# KiCad board FrontEnd_5G.kicad_pcb (continued)
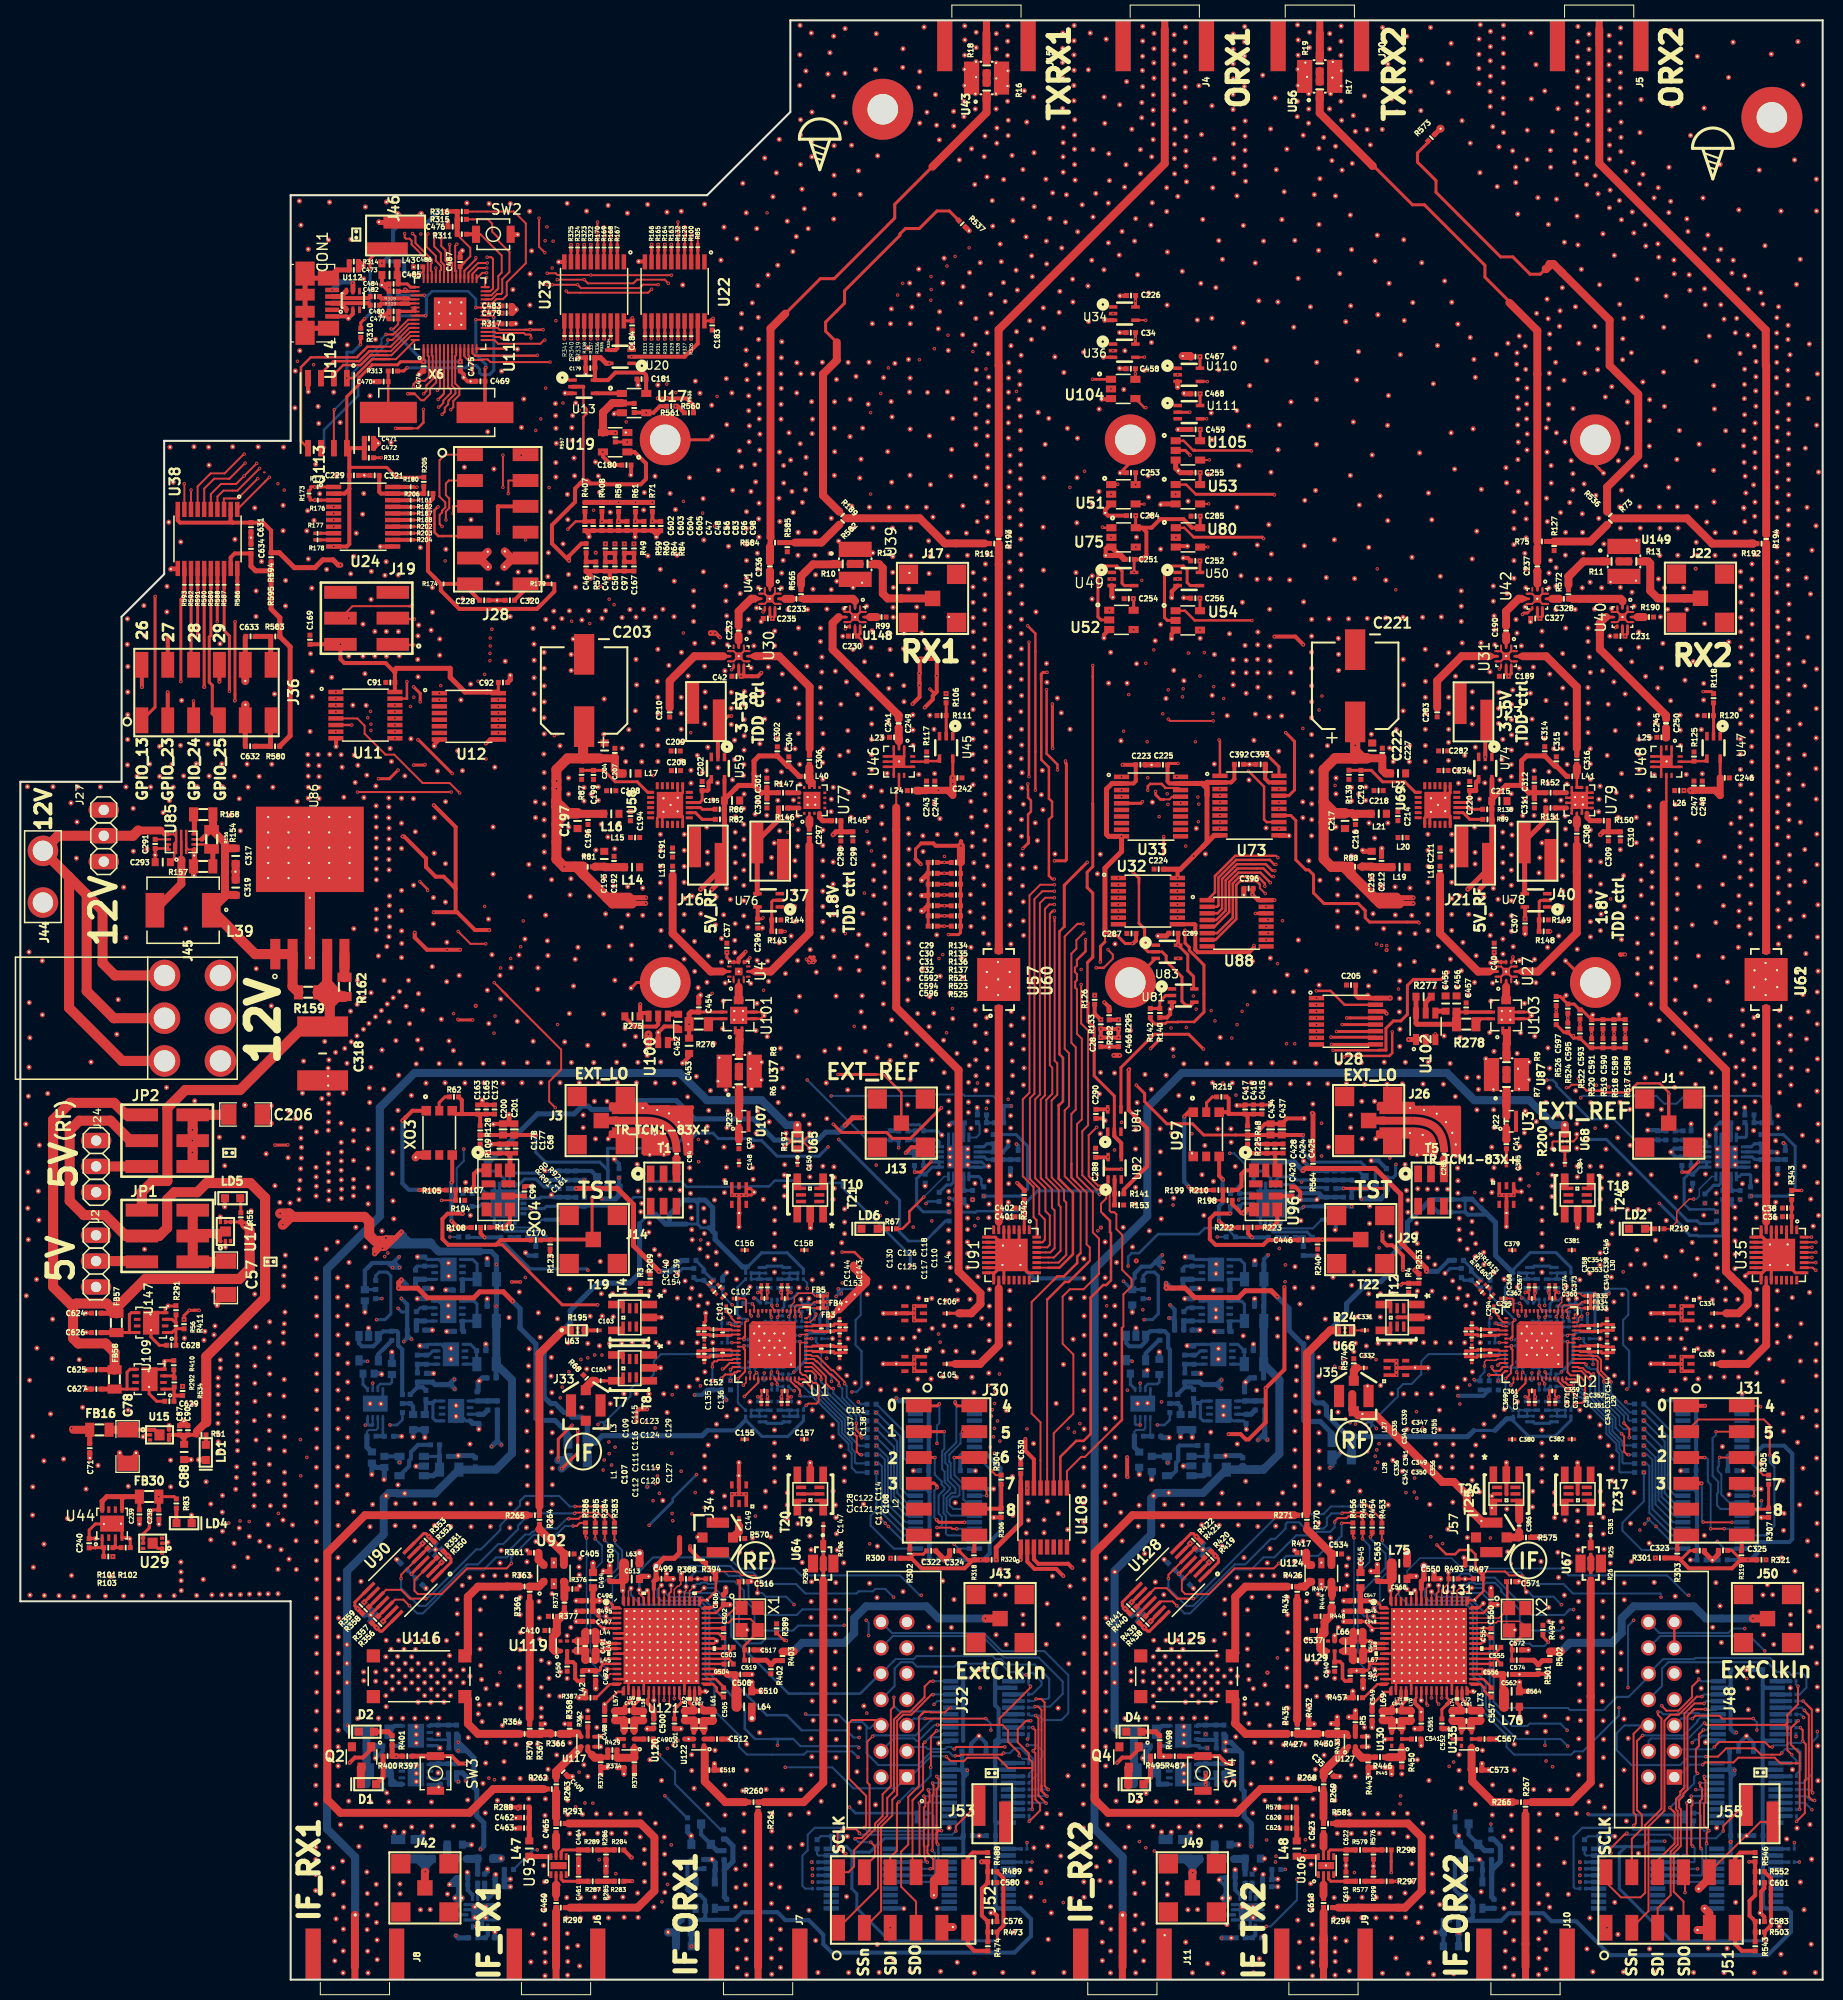
[diagram p0: board, top side]
## Routing (per net, layer and track width the routed paths; a pad name or vN(x,y) marks a point on that pad's centre or on a via; arc(x,y) is an arc through that point) (continued)
GPIO3_#1: length 167
  F.FR4 w0.2: v2(95.77,56.63) 95.71,56.56 94.68,56.56 94.42,56.31 92.56,56.31 92.24,55.99 89.06,55.99 85.55,52.48 v2(84.15,52.48) ; 85.8,159.49 75.84,159.49 75.14,158.79 72.33,158.79 71.88,159.24 70.61,159.24 70.6,159.23 64,159.23 63.35,159.88 v1(63.35,161.27)
  F.FR4 w0.25: 85.8,159.49 85.8,159.5 86.26,159.5 86.96,158.8
  F.FR4 w0.3: 86.96,158.8 87.58,158.18 92.77,158.18 93.42,158.82 94.43,158.82 94.92,158.33 v1(94.92,158.32)
  B.FR4 w0.2: 100.06,71.27 100.06,69.21 99.01,68.16 99.01,58.77 97.18,56.94 96.58,56.94 96.27,56.63 v2(95.77,56.63) ; 100.06,71.27 100.06,71.3 ; 100.06,71.27 100.06,86.13
  B.FR4 w0.3: 63.35,161.26 v1(63.35,161.27) ; v1(94.92,158.32) 94.58,157.98 94.58,154.86 94.59,154.85 94.59,153.5 94.4,153.31 94.4,152.92 94.59,152.73 94.59,152.16 94.47,152.04 94.47,151.41 94.61,151.27 94.61,150.38 94.4,150.17 94.4,150.23 94.16,149.99 94.16,148.36 94.48,148.04 94.48,147.42 94.33,147.27 94.33,144.53 94.36,144.5 95.33,144.5 95.84,143.99 95.84,139.92 95.61,139.69 95.61,113.99 96.3,113.3 96.3,111.06 96.75,110.61 97.33,110.61 97.9,110.03 97.9,105.66 97.94,105.62 97.94,102.05 98.01,101.98 98.01,93.67 97.99,93.65 97.99,91.02 98.35,90.66 99.06,90.66 100.36,89.36 100.36,86.98 100.06,86.68 100.06,86.14 100.05,86.13 100.06,86.13
  B2.RO w0.2: v2(84.15,52.48) 85.29,51.34 85.29,46.71 87.03,44.97 87.99,44.97
GPIO3_#2: length 249.9
  F.FR4 w0.2: 104.62,45.81 107.05,45.81 107.6,45.26 108.4,45.26 109.7,43.96 114.56,43.96 114.76,44.16 115.71,44.16 115.95,43.92 116.42,43.92 116.55,44.05 119.97,44.05 121.16,45.24 123.63,45.24 124.14,45.75 128.48,45.75 129.09,46.36 130.38,46.36 130.91,45.83 133.89,45.83 134.18,46.12 141.33,46.12 141.62,46.41 143.68,46.41 144.54,45.55 144.54,45.22 144.67,45.09 148.85,45.09 149.5,45.74 149.5,46.33 150.4,47.23 153.66,47.23 156.13,49.7 157.14,49.7 158.62,51.18 158.62,51.77 159.33,52.48 v2(159.59,52.48) ; 104.62,45.81 104.58,45.81 ; 104.62,45.81 104,45.81 102.41,47.4 101.74,47.4 100.99,48.15 100.28,48.15 99.88,48.55 99.86,48.55 99.35,49.06 99.35,49.07 97.72,50.7 97.72,52.97 96.97,53.72 96.02,53.72 v2(95.66,53.36) ; v1(86.24,165.58) 85.52,165.58 85.18,165.24 81.9,165.24 80.56,166.58 79.49,166.58 78.2,167.87 77.1,167.87 75.73,169.24 73.1,169.24 68.17,164.31 56.02,164.31 55.43,163.72 v1(55.43,161.29)
  B.FR4 w0.25: 88.32,58 90.76,58 91.34,57.42 91.34,56.18 91.85,55.67 92.43,55.67 94.74,53.36 v2(95.66,53.36) ; 81.25,100.98 79.33,102.9 79.33,102.91 79.02,103.22 78.57,103.22 78.1,103.69 78.1,111.75 78.33,111.98 ; 81.71,147.15 81.83,147.27 81.83,149.58 82.26,150.01 82.26,155.65
  B.FR4 w0.3: 55.43,161.28 v1(55.43,161.29) ; 88.32,58 87.22,59.1 87.22,62.44 87.3,62.52 87.3,66.69 86.59,67.4 86.59,68.48 82.46,72.61 82.46,78.81 81.12,80.15 81.12,82.81 80.53,83.4 80.53,87.94 79.72,88.75 79.72,93.83 81.25,95.36 81.25,100.98 ; 81.71,147.15 81.03,146.47 81.03,136.35 80.42,135.74 80.42,134.91 79.47,133.96 79.47,128.22 79.9,127.79 79.9,118.14 79.01,117.25 79.01,114.76 78.33,114.08 78.33,111.98 ; v1(86.24,165.58) 86.24,160.77 83.14,157.67 83.14,157.66 82.26,156.78 82.26,155.65
  B2.RO w0.2: 163.43,44.97 162.49,44.97 160.74,46.71 160.74,51.33 160.71,51.33 160.71,51.33 160.71,51.36 v2(159.59,52.48) 159.68,52.48
GPIO4_#1: length 166.7
  F.FR4 w0.2: v2(96.88,57.63) 96.88,57.42 96.57,57.11 94.69,57.11 94.26,56.68 92.77,56.68 91.95,57.5 90.02,57.5 85.79,53.27 v2(84.14,53.27) ; v1(88.38,159.22) 87.72,159.88 87.38,159.88 87.27,159.99 72.11,159.99 71.71,159.59 70.7,159.59 70.53,159.76 64.35,159.76 64,160.11 v1(64,161.27)
  F.FR4 w0.25: v2(89.59,74.58) 90.22,74.58 90.48,74.32 93.6,74.32 v2(93.82,74.1)
  B.FR4 w0.2: 94.23,58.61 94.23,58.15 94.46,57.92 94.46,57.36 94.8,57.02 95.34,57.02 95.48,57.16 96.1,57.16 96.18,57.24 96.49,57.24 v2(96.88,57.63)
  B.FR4 w0.25: 93.82,73.58 93.82,72 94.22,71.6 ; 93.82,73.58 93.82,73.6 ; 93.82,73.58 v2(93.82,74.1) ; 87.16,80.19 87.16,77.26 87.49,76.93 87.49,75.74 88.65,74.58 v2(89.59,74.58) ; 94.23,58.61 94.23,61.21 94.27,61.25 94.27,64.42 93.95,64.74 93.95,66.02 94.1,66.17 94.1,67.79 95.12,68.81 ; v1(88.38,159.22) 88.38,158.71
  B.FR4 w0.3: v1(64,161.27) 64,161.26 ; 88.38,143.38 88.38,136.73 87.52,135.87 87.52,126.67 88.35,125.84 88.35,123.98 89.05,123.28 89.05,115.5 89.4,115.15 89.4,100.55 89.29,100.44 89.29,98.05 88.79,97.55 88.79,96.53 87.47,95.21 87.47,94.6 86.12,93.25 86.12,86.06 85.47,85.41 85.47,81.55 86.87,80.15 87.16,80.15 ; 88.38,143.38 88.38,143.52 ; 88.38,143.38 88.38,146.47 88.36,146.47 88.38,146.49 88.38,158.71 ; 95.12,68.81 95.12,70.7 94.22,71.6
  B2.RO w0.2: U25.6 87.12,45.62 85.59,47.14 85.59,51.86 84.18,53.27 v2(84.14,53.27)
GPIO4_#2: length 254.5
  F.FR4 w0.2: 157.08,50.87 156.09,50.87 153.54,48.32 151.43,48.32 151.31,48.44 150.61,48.44 149.16,46.99 147.3,46.99 147.11,46.8 145.09,46.8 144.97,46.92 142.73,46.92 141.9,47.75 138.58,47.75 137.69,46.86 135.41,46.86 134.9,47.37 133.71,47.37 133.44,47.11 132.91,47.11 132.83,47.18 131.34,47.18 131.15,46.99 130.07,46.99 129.78,46.7 128.76,46.7 128.11,46.05 109.57,46.05 109.14,46.48 107.56,46.48 107.21,46.13 104.19,46.13 103.54,46.78 ; 157.08,50.87 157.47,51.26 ; 157.08,50.87 157.47,51.26 ; 103.54,46.78 103.53,46.79 ; 103.54,46.78 101.28,49.04 101.28,49.5 100.28,50.5 99.91,50.5 98.24,52.18 ; 98.24,53.97 98.01,54.19 v2(95.76,54.19) ; 157.47,51.26 157.47,51.94 157.79,52.26 158.36,52.26 159.39,53.29 v2(159.6,53.29) ; v1(89.5,165.07) 85.72,165.07 85.31,164.67 81.66,164.67 80.81,165.51 80.56,165.51 79.97,166.1 78.77,166.1 77.93,165.26 77.78,165.26 76.27,166.77 75.26,166.77 73.74,168.29 73.21,168.29 72.46,167.54 72.05,167.54 68.39,163.88 56.54,163.88 56.08,163.42 v1(56.08,161.29)
  F.FR4 w0.25: 98.24,52.18 98.24,53.97
  B.FR4 w0.2: 100.21,58.64 100.21,67.64 101.26,68.69 101.26,86.15 101.56,86.45 101.56,87.57 101.57,87.58 ; 90.67,165.07 v1(89.5,165.07) ; 96.56,54.19 96.87,54.5 96.87,55.09 100.21,58.43 ; 100.47,112.52 100.61,112.37 100.61,111.63 100.33,111.35 100.33,91.98 101.57,90.74 101.57,90.71 ; 97.86,135.95 97.86,135.89
  B.FR4 w0.25: 97.75,146.98 97.18,147.55 96.9,147.55 96.67,147.78 96.67,150.1 97.71,151.14 97.71,153.98 99.09,155.36 99.09,158.08 96.26,160.91 95.08,160.91 90.92,165.07 90.67,165.07 ; 100.21,58.43 100.21,58.64 ; 100.47,114.09 99.96,114.59 ; 100.47,114.09 100.47,112.52 100.47,114.09 ; 100.47,114.09 99.96,114.59 ; 99.96,114.59 99.56,114.99 99.56,116.03 99.24,116.35 98.29,116.35 97.86,116.78 97.86,117.52 97.85,117.52 98.03,117.7 98.03,118.05 97.72,118.36 97.72,118.7 97.96,118.94 97.96,119.45 97.73,119.68 97.73,120.12 97.94,120.33 97.94,120.88 97.72,121.1 97.72,121.62 97.99,121.89 97.99,122.38 97.68,122.69 97.68,123.22 97.95,123.49 97.95,123.98 97.7,124.23 97.7,124.91 98.06,125.27 98.06,125.75 97.73,126.08 97.73,126.55 98.01,126.83 98.01,127.26 97.6,127.67 97.6,127.95 98,128.35 98,128.72 97.63,129.09 97.63,129.45 98,129.82 98,130.35 97.65,130.7 97.65,130.95 98.07,131.37 98.07,131.75 97.68,132.14 97.68,132.49 98,132.81 98,133.12 97.7,133.42 97.7,133.91 98.05,134.26 98.05,134.7 97.56,135.19 97.56,135.59 97.86,135.89 ; 97.86,135.95 97.86,136.66 ; v2(95.76,54.19) 96.56,54.19
  B.FR4 w0.3: 101.57,87.58 101.57,90.71 ; 56.08,161.28 v1(56.08,161.29) ; 97.75,146.98 97.75,147.08 97.75,147.02 97.87,146.9 97.87,146.49 97.62,146.24 97.62,145.79 97.91,145.5 97.91,144.92 97.65,144.66 97.65,144.27 97.88,144.04 97.88,143.4 97.62,143.14 97.62,142.79 97.91,142.5 97.91,141.95 97.65,141.69 97.65,141.41 97.63,141.41 97.63,141.4 97.91,141.12 97.91,140.54 97.61,140.24 97.61,139.92 97.93,139.6 97.93,139.08 97.65,138.8 97.65,138.35 97.95,138.05 97.95,137.48 97.7,137.23 97.71,137.22 97.71,136.78 97.83,136.66 97.86,136.66
  B2.RO w0.2: 161.04,47.89 161.04,47.9 ; 161.04,47.9 161.04,51.85 v2(159.6,53.29) ; 161.04,47.9 161.04,47.13 162.56,45.62 U71.6
GPIO5_#1: length 163.7
  F.FR4 w0.2: 88.23,160.33 72.61,160.33 72.24,160.7 70.9,160.7 70.53,160.33 66.97,160.33 66.82,160.19 65.07,160.19 64.65,160.61 v1(64.65,161.27) ; v2(95.82,57.81) 95.83,57.82 95.83,57.81 95.69,57.67 94.77,57.67 94.11,57.01 93,57.01 92.13,57.88 89.79,57.88 86,54.09 v2(84.14,54.09)
  F.FR4 w0.3: 88.23,160.33 88.23,160.34 88.64,160.34 89.76,159.22 92.84,159.22 93.63,160.01 v1(93.63,160.02)
  B.FR4 w0.2: 99.44,87.02 99.44,74.49 99.65,74.28 99.65,69.4 99.49,69.4 98.41,68.32 98.41,67.88 98.41,60.39 97.47,59.45 97.46,59.45 v2(95.82,57.81)
  B.FR4 w0.25: v1(93.63,160.02) 93.63,158.98 93.25,158.6 93.25,142.99 93.61,142.63 93.61,141.55 93.33,141.27 93.33,140.78 94.24,139.87 94.24,125.55 94.25,125.54 94.25,117 94.14,116.89 94.14,113.11 94.49,112.76 95.2,112.76 95.49,112.47 95.49,110.53 96.49,109.53 96.49,101.89 ; 96.82,96.79 96.82,94.66 96.79,94.63 96.79,89.97 97.12,89.64 97.8,89.64 99.44,88 99.44,87.02
  B.FR4 w0.3: v1(64.65,161.27) 64.65,161.26 ; 96.82,96.79 96.82,97.01 96.48,97.35 96.48,97.73 97,98.25 97,98.4 96.43,98.97 96.43,99.21 96.96,99.74 96.96,101.08 96.49,101.55 96.49,101.89
  B2.RO w0.2: U25.7 87.12,46.27 85.89,47.49 85.89,52.38 84.18,54.09 v2(84.14,54.09)
GPIO5_#2: length 271.4
  F.FR4 w0.2: 133.72,47.95 133.25,47.49 129.49,47.49 129.28,47.28 128.72,47.28 128.5,47.5 124.98,47.5 124.76,47.28 112.2,47.28 111.81,46.89 110.56,46.89 110.21,47.24 107.92,47.24 107.71,47.03 107.32,47.03 106.63,47.72 104.2,47.72 101.84,50.08 101.84,54.33 102.52,55.01 103.8,55.01 v2(104.15,54.66) ; 139.61,49.68 143.41,49.68 143.53,49.56 153.37,49.56 154.15,50.34 154.15,51.36 156.93,54.14 159.57,54.14 v2(159.6,54.11)
  F.FR4 w0.25: 73.37,173.62 74.36,174.61 81.1,174.61 85.49,170.22 v1(93.27,170.22) ; 67.8,155.61 67.2,155.01 66.48,155.01 64.1,157.39 60.62,157.39 58.32,159.69 57.64,159.69 56.73,160.6 v1(56.73,161.29) ; 67.8,155.61 68.12,155.61 ; 67.8,155.61 v1(68.49,155.61) ; 133.72,47.95 133.72,47.93 134.32,48.53 137.94,48.53 138.39,48.98
  F.FR4 w0.3: 139.61,49.68 139.09,49.68 138.39,48.98
  B.FR4 w0.2: 105.19,104.34 105.19,101.49 103.81,100.11 103.81,98.82 103.59,98.6 103.59,97.23 103.91,96.91 ; 105.19,104.34 105.19,104.4 ; 105.19,104.34 105.19,104.67 104.26,105.6 104.26,120.26 102.46,122.06 102.46,123.57 ; 105.21,55.66 104.21,54.66 v2(104.15,54.66) ; 102.46,123.8 102.88,124.22 102.88,136.59 102.54,136.93 102.54,147.69 104.62,149.77 104.62,158.31 103.88,159.05 ; 105.88,67.69 105.88,67.65
  B.FR4 w0.25: 104.04,65.78 104.04,65.81 104.39,66.16 105.72,66.16 105.88,66.32 105.88,67.69 ; 104.04,65.78 104.04,63.97 ; 104.04,65.78 104.04,63.97 ; 104.04,63.97 104.04,59.27 105.21,58.1 105.21,55.66 ; 103.91,96.91 103.91,95.09 104.81,94.19 104.81,91.28 105.22,90.87 105.22,72.71 106.09,71.84 106.09,67.87 106.05,67.83 106.05,67.82 105.88,67.65 ; v1(93.27,170.22) 95.57,170.22 95.92,169.87 97.45,169.87 98.79,168.53 99.59,168.53 100.36,167.76 101.47,167.76 102.82,166.41 103.73,166.41 104.53,165.61 104.53,164.59 ; v1(73.4,173.66) 72.69,173.66 71.35,172.32 71.35,170.78 69.95,169.38 69.95,159.33 68.49,157.87 v1(68.49,155.61) ; 102.46,123.57 102.46,123.8
  B.FR4 w0.3: 104.53,164.59 103.9,163.96 103.9,159.03 ; v1(56.73,161.29) 56.73,161.29
  B2.RO w0.2: 161.34,48.49 161.34,48.6 ; 161.34,48.6 161.34,52.37 v2(159.6,54.11) ; 161.34,48.6 161.34,47.48 162.56,46.27 U71.7
GPIO6_#1: length 158.8
  F.RO w0.25: v2(94.09,88.13) 94.08,88.13
  F.RO w0.3: v1(89.85,160.31) 89.85,160.3
  F.FR4 w0.2: v1(89.85,160.31) 89.14,161.02 76.73,161.02 76.04,161.71 74.52,161.71 74.3,161.93 72.23,161.93 72.01,161.71 71.86,161.71 71.26,161.11 69.98,161.11 69.59,160.72 65.5,160.72 65.3,160.92 v1(65.3,161.27) ; v2(95.17,58.42) 93.91,58.42 93.81,58.52 91.88,58.52 91.54,58.18 89.67,58.18 86.41,54.92 v2(84.12,54.92)
  F.FR4 w0.25: v2(94.09,88.13) 94.54,87.68 94.54,86.03 94.94,85.63 v2(94.96,85.63)
  B.FR4 w0.2: 96.62,69.37 95.87,70.12 95.87,73.31 94.63,74.55 94.63,75.79 94.2,76.22 94.2,77.35 ; v2(95.17,58.42) 95.19,58.44 94.66,58.97
  B.FR4 w0.25: 96.62,69.37 96.62,62.38 94.66,60.42 94.66,58.97 ; v2(94.96,85.63) 94.2,84.87 94.2,78.96 94.51,78.65 94.51,77.93 94.2,77.62 94.2,77.35 ; 94.02,103.98 94.02,102.37 94.37,102.02 94.37,100.9 93.45,99.98 93.45,96.29 92.54,95.38 92.54,92.87 92.38,92.71 93.77,91.32 94.02,91.32 94.54,90.8 94.54,88.58 v2(94.09,88.13)
  B.FR4 w0.3: 65.3,161.26 v1(65.3,161.27) ; 90.31,144.05 90.31,131.97 90.94,131.34 90.94,127.24 90.49,126.79 90.49,125.58 91.08,124.99 91.08,111.79 92.26,110.61 92.67,110.61 93.09,110.19 93.09,107.95 94.02,107.02 94.02,103.98 ; 90.31,144.05 90.31,144.08 ; 90.31,144.05 90.31,146.74 90.81,147.24 90.81,153.1 89.85,154.06 v1(89.85,160.31)
  B2.RO w0.2: U25.8 87.1,46.92 86.19,47.83 86.19,52.9 84.17,54.92 v2(84.12,54.92)
GPIO6_#2: length 246.5
  F.FR4 w0.2: v2(103.01,54.2) 102.59,53.78 102.59,51.55 104.6,49.54 106.58,49.54 107.11,49.01 107.14,49.01 107.72,48.43 114.44,48.43 ; 133.51,48.66 135.76,50.91 143.32,50.91 144.12,50.11 148.68,50.11 149.4,50.83 150.2,50.83 151.03,50 153.18,50 153.84,50.66 153.84,52.91 154.85,53.92 155.85,53.92 157.35,55.42 158.19,55.42 158.48,55.13 159.4,55.13 v2(159.59,54.94) ; 57.38,162.18 57.85,162.65 68.75,162.65 71.62,165.52 71.62,165.6 72,165.98 73.32,165.98 75.69,163.61 78.46,163.61 78.91,164.06 80.36,164.06 81.17,163.25 82.62,163.25 82.95,163.58 88.59,163.58 88.89,163.28 90.74,163.28 91.09,163.63 91.09,165.84 91.34,166.09 91.34,167.25 91.09,167.5 v1(91.09,168.43)
  F.FR4 w0.25: 133.51,48.66 131.05,48.66 130.7,48.31 129.93,48.31 129.6,48.64 128.61,48.64 128.36,48.39 128.36,48.18 128.16,47.98 124.92,47.98 124.47,48.43 114.44,48.43 ; v1(57.38,161.29) 57.38,162.18
  B.FR4 w0.2: 102.51,67.11 102.05,66.65 102.05,61.08 101.82,60.85 101.82,60.04 102.04,59.82 102.05,59.82 102.05,57.61 103.01,56.64 v2(103.01,54.2) ; 103.31,85.37 103.46,85.52 103.46,93.54 ; 102.66,94.34 102.66,103.21 103.05,103.6 ; 103.05,104.48 103.05,118.68
  B.FR4 w0.25: 103.31,85.37 103.31,85.38 103.27,85.34 103.27,67.87 102.51,67.11 ; 103.05,103.6 103.05,104.48 ; 103.05,118.68 100.92,120.81 100.92,125.95 101.48,126.51 101.48,127.06 101.47,127.07 101.47,135.21 101.07,135.61 101.07,137.82 101.36,138.11 101.36,138.88 101.07,139.17 101.07,141.79 101.32,142.04 101.32,143.04 101.22,143.14 ; 94.64,167.41 94.61,167.44 ; 94.64,167.41 96.36,165.69 97.18,165.69 99.02,163.85 99.94,163.85 102.28,161.51 102.28,158.82 101.86,158.4 101.86,157.39 102.2,157.05 102.2,153.82 101.71,153.32 101.71,148.96 101.31,148.56 ; 94.64,167.41 93.62,168.43 v1(91.09,168.43) ; 103.46,93.54 102.66,94.34
  B.FR4 w0.3: 57.38,161.28 v1(57.38,161.29) ; 101.22,143.14 101.22,148.47 101.31,148.56
  B2.RO w0.2: 161.64,49.17 161.64,49.29 ; 161.64,49.29 161.64,52.89 v2(159.59,54.94) ; 161.64,49.29 161.64,47.82 162.55,46.92 U71.8
GPIO7_#1: length 160.5
  F.RO w0.25: v2(84.12,55.74) 84.12,55.73
  F.FR4 w0.2: v2(96.25,59.53) 95.66,58.94 94.87,58.94 94.87,58.98 93.89,59.96 91.44,59.96 91.37,59.89 91.37,58.9 90.98,58.51 89.4,58.51 86.63,55.74 v2(84.12,55.74) ; 89.44,161.62 79.05,161.62 78.89,161.78 77.36,161.78 76.94,162.21 74.78,162.21 74.59,162.4 71.89,162.4 71.17,161.68 69.3,161.68 68.88,161.27 v1(65.94,161.27)
  F.FR4 w0.25: 89.44,161.62 89.46,161.64 v1(91.19,161.64)
  B.FR4 w0.2: v2(96.25,59.53) 96.31,59.47 96.34,59.47 96.74,59.87 96.74,59.88 97.81,60.95 97.81,67.02 97.98,67.19 97.98,68.6 99.15,69.77 99.15,74.01 98.82,74.34 98.82,83.89
  B.FR4 w0.25: v1(91.19,161.64) 92.26,160.57 92.26,145.95 ; 98.82,83.89 98.82,86.62 95.75,89.69 95.75,95.63 94.34,97.04 94.34,99.98 95.87,101.51 95.87,107.25 94.3,108.82 94.3,110.13 94.1,110.33 94.1,110.96 94.22,111.08 94.22,111.79 93.95,112.06 93.28,112.06 92.71,112.63 92.71,138.69 92.15,139.25 92.15,143.31 92.14,143.31 91.57,143.88 91.57,145.26
  B.FR4 w0.3: v1(65.94,161.27) 65.94,161.26 ; 92.26,145.95 91.57,145.26
  B2.RO w0.2: v2(84.12,55.74) 84.17,55.74 86.49,53.42 86.49,48.34 87.26,47.56 87.99,47.56
GPIO7_#2: length 245.4
  F.FR4 w0.2: 148.38,52.1 153.51,52.1 153.52,52.09 153.52,53.6 155.68,55.76 v2(159.59,55.76) ; 79.08,162.27 82.4,162.27 82.6,162.07 89.32,162.07 90.06,162.81 90.98,162.81 91.88,163.71 91.88,169.4 ; 133.39,49.53 134.24,50.39 134.24,51.34 134.92,52.02 143.02,52.02 143.22,51.82 143.41,51.82 ; 77.76,163.05 77.47,162.75 74.68,162.75 ; v2(103.62,53.81) 103.27,53.46 103.27,52.47
  F.FR4 w0.25: 74.68,162.75 73.32,164.11 72.29,164.11 71.12,162.94 69.85,162.94 69.16,162.25 58.29,162.25 58.03,161.99 v1(58.03,161.29) ; 77.76,163.05 78.3,163.05 79.08,162.27 ; 148.38,52.1 148.1,51.82 143.41,51.82 ; 103.27,52.47 104.49,51.25 106.78,51.25 107.5,50.53 111.24,50.53 112.24,49.53 133.39,49.53
  B.FR4 w0.2: 103,154.64 103,153.36 102.28,152.63 102.28,148.4 101.86,147.98 101.86,136.12 102.13,135.85 102.13,127.58 102.53,127.18 102.53,125.41 102.32,125.2 102.06,125.2 101.69,124.83 101.69,121.92 103.71,119.9 103.71,100.92 ; 103.24,94.91 103.15,95 103.15,100.36 103.43,100.64 ; v2(103.62,53.81) 103.62,54.83 103.63,54.84 103.63,57.06 103.02,57.67 103.02,59.62 103.01,59.62 103.37,59.98 103.37,60.76 103.02,61.11 103.02,62.29 102.78,62.53 102.78,63.29 103.03,63.54 103.02,63.54 103.02,65.92 ; v1(91.89,169.38) 94.87,169.38 97.51,166.74 97.63,166.74
  B.FR4 w0.25: 103.71,100.92 103.43,100.64 ; 103.24,94.91 103.97,94.18 103.97,90.91 104.16,90.72 104.16,84.71 104.52,84.35 104.52,83.17 103.97,82.62 103.97,66.87 103.02,65.92
  B.FR4 w0.3: 58.03,161.28 v1(58.03,161.29) ; 97.63,166.74 99.27,166.74 101.41,164.6 101.41,163.77 102.91,162.28 102.91,158.95 103.31,158.55 103.31,157.46 103,157.15 103,154.54
  B2.RO w0.2: 162.71,47.56 163.43,47.56 ; 162.71,47.56 161.94,48.33 161.94,49.72 ; 162.71,47.56 163.43,47.56 ; 162.71,47.56 163.43,47.56 ; 161.94,49.7 161.94,49.72 ; 161.94,49.72 161.94,53.41 v2(159.59,55.76)
IF_IN_A_#1: length 20.9
  F.RO w0.2: 53.33,63.83 52.74,63.24 ; U63.1 53.98,63.83
  F.RO w0.5: R264.1 51.03,46.52
  F.RO w0.79: 51.03,46.52 51.03,61.53 53.33,63.83 53.98,63.83
IF_IN_A_#2: length 21.9
  F.RO w0.3: U66.1 129.43,63.83
  F.RO w0.4: 127.98,63.04 128.02,63 128.02,62.82 128.02,63.08
  F.RO w0.5: 128.07,63.13 127.98,63.04 128.77,63.83 ; R270.1 126.47,46.02
  F.RO w0.65: 129.43,63.83 129.3,63.83
  F.RO w0.79: 128.14,63.2 128.77,63.83 129.3,63.83 ; 128.14,63.2 126.47,61.53 126.47,46.02 ; 128.14,63.2 128.02,63.08
IF_IN_B_#1: length 3.2
  F.RO w0.4: 56.25,58.86 55.65,58.26 ; C104.1 56.53,58.86
  F.RO w0.5: J33.1 55.58,58.38 R68.1
  F.RO w0.79: 55.65,58.26 56.25,58.86 56.53,58.86
IF_OUT_B_#2: length 3.1
  F.RO w0.2: 146.09,43.74 146.16,43.67
  F.RO w0.4: 147.31,43.47 R575.2 147.34,43.69 C386.2
  F.RO w0.79: J57.1 147.31,43.47 147.34,43.5 147.34,43.99
IF_OUT_C_#1: length 26.9
  F.RO w0.5: R260.1 73.1,17.45
  F.RO w0.79: 73.1,17.45 77,17.45 78.93,19.38 78.93,39.09 U64.3
IF_OUT_C_#2: length 27.4
  F.RO w0.5: 154.37,27.82 154.37,27.35 ; R266.1 148.54,17.45
  F.RO w0.79: 154.37,27.86 U67.3 ; 154.37,27.86 154.37,27.82 ; 154.37,27.86 154.37,19.38 152.44,17.45 148.54,17.45
IF_OUT_D_#1: length 133.2
  F.RO w0.79: 32.92,6.36 32.89,6.33 J8.1 ; R197.1 76.39,84.01
  B2.RO w0.79: 76.39,84.01 75.31,84.01 72.88,86.44 67.49,86.44 64.81,89.12 38.74,89.12 35.34,85.72 35.34,75.04 30.15,69.85 30.15,14.81 32.91,12.05 32.91,6.37 32.92,6.36
IF_OUT_D_#2: length 133.6
  F.RO w0.79: R200.1 151.83,84.01 ; 108.36,1.27 108.36,6.36
  B2.RO w0.79: 151.83,84.01 150.75,84.01 148.32,86.44 142.93,86.44 140.25,89.12 114.18,89.12 110.78,85.72 110.78,75.04 105.6,69.86 105.6,18.11 ; 105.6,18.11 105.6,17.76 ; 105.6,18.11 105.59,18.1 105.59,14.81 108.36,12.04 108.36,6.35
LMS8001_#1_RESETn: length 99.5
  F.RO w0.2: v1(46.66,94.71) 46.65,94.71 ; v1(33.14,116.73) v1(42.36,116.73) ; U1.18 72.53,58.68 v2(71.17,57.32)
  F.FR4 w0.2: v2(66.85,58.37) 67.51,57.71 69.84,57.71 70.01,57.54 70.84,57.54 71.06,57.32 v2(71.17,57.32)
  F.FR4 w0.25: v1(42.58,94.95) 46.42,94.95 v1(46.66,94.71)
  B.FR4 w0.2: 50.35,91 50.35,85.76 55.62,80.5 ; 50.35,91 50.39,91.04 ; 50.35,91 47.18,94.18 ; v1(31.02,124.62) 31.02,124.62 29.84,124.62 29.84,120.03 30.44,119.43 30.44,118.49 31.99,116.94 32.93,116.94 v1(33.14,116.73) ; v1(42.36,116.73) 42.36,102.75 42.58,102.53 v1(42.58,94.95) ; 47.18,94.18 46.66,94.69 v1(46.66,94.71) 47.18,94.2 47.18,94.18 ; 58.64,74.17 62.69,70.12 63,70.12 63.44,69.68 63.44,69.04 64.93,67.55 65.19,67.55 65.19,66.26 65.78,65.67 65.78,61.52 65.89,61.41 65.89,58.91 66.43,58.37 v2(66.85,58.37)
  B.FR4 w0.3: 58.46,76.72 56.76,78.41 56.69,78.41 56.69,79.42 55.62,80.5 ; 58.46,76.72 58.48,76.69 ; 58.46,76.72 58.64,76.53 58.64,74.17
LMS8001_#1_SSENn: length 133.4
  F.RO w0.2: U1.11 70.06,61.01 69.97,60.92 68.62,60.92 68.48,60.78 68.22,60.78 68.03,60.59 v2(68.03,60.23)
  F.RO w0.3: 46.36,132.74 v1(46.35,132.73) ; v1(42.45,118.55) 39.14,121.86 v1(39.08,121.86) ; v1(39.31,125.6) 39.31,126.42 v1(38.66,127.07)
  F.RO w0.4: v1(56.56,140.26) 56.56,140.27 ; R58.1 v1(58.81,143.33) C48.1
  F.FR4 w0.25: 56.52,140.26 56.52,139.94 55.41,138.83 55.41,137.18 55.56,137.03 55.56,136.62 55.17,136.23 54.03,136.23
  F.FR4 w0.3: v1(46.35,132.73) 47.68,132.73 47.69,132.74 48.15,132.74 51.64,136.23 54.03,136.23 ; v1(31.02,126.56) 35.12,126.56 35.25,126.69 38.28,126.69 v1(38.66,127.07)
  F.FR4 w0.4: v1(56.56,140.26) 56.52,140.26
  B.FR4 w0.2: v2(68.03,58.87) 67.45,58.29 67.45,57.31 67,56.86 65.14,56.86
  B.FR4 w0.25: 47.36,81.04 47.36,85.95 46.22,87.09 46.22,87.46 ; 41.07,129.1 41.07,129.08 39.33,127.34 38.74,127.34 38.66,127.26 v1(38.66,127.07)
  B.FR4 w0.3: v1(31.02,126.56) 31.02,126.56 ; 41.07,129.1 44.7,132.73 v1(46.35,132.73) ; 51.26,77.15 58.94,69.47 60.17,69.47 60.17,66.91 60.71,66.37 60.71,60.31 61.18,59.84 61.18,57.08 61.4,56.86 65.14,56.86 ; v1(42.45,118.55) 42.45,118.49 43.72,117.22 43.72,104.02 44.21,103.53 44.21,97.72 43.72,97.23 43.72,93.16 46.22,90.66 46.22,87.46 ; v1(39.08,121.86) 39.31,122.09 v1(39.31,125.6) ; 47.36,81.04 49.1,79.3
  B.FR4 w0.4: 51.17,78.52 51.17,77.24 51.26,77.15 ; 51.16,78.52 50.38,79.3 49.1,79.3 ; v1(56.56,140.26) 56.69,140.39 56.69,141.6 58.42,143.33 v1(58.81,143.33)
  B.FR4 w0.5: 51.17,78.52 51.16,78.52
  B2.RO w0.2: v2(68.03,60.23) v2(68.03,58.87)
LMS8001_#2_RESETn: length 177.1
  F.RO w0.2: v2(147.03,57.7) 147.96,58.63 147.96,58.99 U2.18 ; v2(127.91,84.18) 127.91,84.19 ; 35.9,120.41 33.84,122.47 33.84,123.25 33.12,123.97 31.02,123.97 ; 35.9,120.41 35.91,120.41 ; 35.9,120.41 36.75,120.41 39.54,117.62 42.2,117.62 v1(43.18,116.64) ; v1(43.04,103.02) 44.25,101.81 v1(45.75,101.81) ; v1(46.58,98) 47.4,97.18 ; 47.84,96.73 53.16,91.41 53.16,89.45 51.98,88.27 51.98,86.31 v1(52.58,85.71)
  F.RO w0.25: 47.84,96.73 47.84,96.74 47.4,97.18
  F.FR4 w0.2: v2(142.47,58.45) 143.22,57.7 v2(147.03,57.7) ; 103.27,80.28 96.18,80.28 94.06,82.4 83.48,82.4 80.19,85.69 73.9,85.69 72.89,84.68 65.46,84.68 63.31,86.83 58.5,86.83 58.32,87.01 54.94,87.01 53.66,85.73 52.56,85.73 52.52,85.69 ; 124.74,84.18 117.94,84.18 ; 134.61,80.78 v2(134.63,80.76) ; v2(127.91,80.96) 130.96,80.96 ; v2(127.91,84.18) 127.21,84.18
  F.FR4 w0.25: 103.27,80.28 107.11,80.28 107.88,81.05 110.81,81.05 111.69,81.93 114.95,81.93 117.2,84.18 117.94,84.18 ; 124.74,84.18 124.74,84.19 125.13,83.8 126.62,83.8 127,84.18 127.21,84.18 ; 130.96,80.96 131.64,80.96 132.19,81.51 133.88,81.51 134.61,80.78
  B.FR4 w0.2: 127.91,84.23 v2(127.91,84.18) v2(127.91,80.96) ; v1(43.04,103.02) 43.18,103.16 v1(43.18,116.64) ; v1(46.58,98) 45.75,98.83 v1(45.75,101.81) ; v1(52.58,85.71) 52.57,85.72 ; 139.43,68.56 138.81,69.18 138.81,69.73 136.61,71.93 ; 141.23,65.14 141.23,59.02 141.8,58.45 v2(142.47,58.45) ; v2(134.63,80.76) 134.63,78.36
  B.FR4 w0.25: 141.23,65.14 140.28,66.09 140.15,66.09 139.47,66.77 139.47,68.52 139.43,68.56 ; 134.63,77.82 135.68,76.77 135.68,75.24 136.52,74.4 136.52,72.03 136.61,71.94 136.61,71.93
  B.FR4 w0.3: 134.63,78.36 134.63,77.82
LMS8001_#2_SSENn: length 213.9
  F.RO w0.15: v2(143.93,60.31) 143.93,60.73 144.08,60.88 145.08,60.88 145.21,61.01 U2.11
  F.RO w0.25: v1(133.39,138.67) 133.38,138.66
  F.RO w0.4: R61.1 v1(60.47,143.33) C83.1
  F.FR4 w0.25: v1(31.02,125.92) 38.54,125.92 v1(38.68,126.05) ; 95.95,138.42 97.14,138.42 97.89,139.17 114.14,139.17 114.68,138.63 133.39,138.63 133.39,138.63 ; 95.95,138.42 94.7,138.42 94.43,138.69 ; 95.95,138.42 94.69,138.42 94.69,138.43 94.43,138.69 ; 94.43,138.69 94.24,138.88 73.27,138.88 72.83,139.32 72.19,139.32 71.73,138.86 71.18,138.86 ; 71.18,138.86 70.65,138.86 69.51,140 ; 71.18,138.86 70.64,138.86 69.51,139.99 69.51,140 ; 69.51,140 65.68,143.83 62.92,143.83 62.51,144.24 61.98,144.24 61.57,143.83 60.96,143.83 60.96,143.82 v1(60.47,143.33)
  F.FR4 w0.3: v1(46.19,131.87) 48.19,131.87 52,135.68 v1(57.88,135.68)
  B.FR4 w0.25: 136.4,86.74 135.62,85.96 135.62,83.23 136.25,82.6 136.25,81.08 136.73,80.6 136.73,78.39 136.83,78.29 136.83,76.99 139.85,73.97 139.85,70.14 139.44,69.73 139.44,69.25 140.62,68.07 140.62,66.57 142.71,64.48 142.71,61.22 143.62,60.31 v2(143.93,60.31) ; 136.4,86.74 136.41,86.75 ; 136.4,86.74 136.4,87.49 137.12,88.21 137.12,91.57 137.49,91.94 137.49,99.37 138.53,100.41 ; 138.53,100.41 138.55,100.43 138.55,100.51 ; 138.53,100.41 138.53,101.59 139.17,102.23 139.17,104.92 138.54,105.55 138.06,105.55 137.62,105.99 137.62,119.27 137.37,119.52 137.37,124.97 ; 137.37,124.97 137.37,125.01 ; 137.37,124.97 137.37,127.3 133.39,131.28 v1(133.39,138.67)
  B.FR4 w0.3: v1(31.02,125.92) 31.01,125.92 31.01,125.92 ; v1(60.47,143.33) 60.47,142.97 61.01,142.43 61.01,138.81 v1(57.88,135.68) ; v1(46.19,131.87) 45.01,131.87 39.59,126.45 39.08,126.45 v1(38.68,126.05)
  B2.RO w0.2: v2(143.93,60.31) 143.93,59.72 143.51,59.3 R255.1
  B2.RO w0.3: v2(142.91,58.98) 143.03,58.86 R255.1
MISO_2: length 328.6
  F.RO w0.2: v1(51.56,161.15) 51.48,161.15 51.12,160.79 46.97,160.79 46.6,161.16 U115.15
  F.RO w0.25: v1(38.69,131.19) 36.67,131.19 36.62,131.25
  F.RO w0.3: 77.87,10.9 v2(77.87,10.9) ; 153.31,10.9 v2(153.31,10.9)
  F.RO w0.4: R560.1 62.86,154.65 62.22,154.01 v1(61.53,154.01) 61.51,154.03 R535.1
  F.FR4 w0.25: 117.41,11.02 117.36,11.02 ; 117.41,11.02 117.99,11.02 119,10.01 119.94,10.01 120.31,10.38 120.31,10.85 123.13,13.67 124.39,13.67 125.95,12.11 137.1,12.11 137.94,12.95 143.74,12.95 144.89,11.8 150.56,11.8 151.46,10.9 v2(153.31,10.9) ; 117.41,11.02 116.17,11.02 115.85,11.34 107.81,11.34 107,10.53 101.91,10.53 100.05,12.39 94.08,12.39 92.98,13.49 91.81,13.49 91.43,13.87 89.71,13.87 89.33,13.49 84.48,13.49 83.92,12.93 80.73,12.93 78.7,10.9 v2(77.87,10.9) ; 31.26,49.52 32.07,48.71 34.43,48.71 35.72,50 37.3,50 39.36,47.94 52.95,47.94 53.34,48.33 55.94,48.33 57.35,46.92 61.41,46.92 61.89,46.44 67.19,46.44 v2(67.22,46.41) ; 31.26,49.52 v2(27.56,49.52) 31.26,49.52 ; v1(38.69,131.19) 41.43,131.19 v1(45,127.62) ; v1(51.16,153.41) 51.43,153.14 56.44,153.14 56.51,153.21 58.77,153.21 59.58,154.01 v1(61.53,154.01)
  B.FR4 w0.25: v1(38.69,131.19) 38.69,131.2 ; v2(67.22,46.41) 69.87,43.76 70.54,43.76 71.68,42.62 73.62,42.62 74.84,41.4 74.84,35.07 76.12,33.79 76.12,33.8 76.12,33.52 76.73,32.91 76.73,31.44 76.21,30.92 76.21,20.24 76.14,20.17 76.14,18.08 76.3,17.92 76.3,11.98 77.38,10.9 v2(77.87,10.9) ; v1(45,127.62) 45,123.66 40.13,118.79 40.13,116.29 39.83,115.99 39.83,114.9 40.13,114.6 40.13,108.01 39.01,106.89 39.01,104.05 39.43,103.63 39.43,102.09 39.01,101.67 39.01,97.78 30.88,89.65 30.88,76.32 26.7,72.14 26.7,50.38 v2(27.56,49.52)
  B.FR4 w0.3: v1(51.56,161.15) 51.48,161.07 ; v1(38.69,131.19) 39.1,131.19 39.81,131.9 39.81,139.23 40.44,139.86 40.44,145.31 41.62,146.49 41.62,149.27 50.74,158.38
  B.FR4 w0.4: 51.48,161.07 51.48,159.13 50.74,158.38 50.74,153.84 v1(51.16,153.41)
MOSI_2: length 343.4
  F.RO w0.2: 49.62,162.17 47.1,162.17 46.91,162.36 U115.18 ; 49.62,162.17 49.99,162.17 ; 49.62,162.17 49.99,162.17 ; 49.99,162.17 v1(50.13,162.17) v1(51.39,162.17) 49.99,162.17 ; 38.18,135 32.65,135 J19.4
  F.RO w0.25: v1(32.28,133.82) J19.4 31.71,134.06 ; v1(38.53,135.14) 38.39,135 38.18,135
  F.RO w0.3: v2(77.87,10.25) 77.87,10.25 ; 153.31,10.25 v2(153.31,10.25) ; U19.2 59.64,151.14 R557.1
  F.RO w0.4: 63.54,155.42 65.49,155.42 66.17,154.74 R561.1 ; 63.54,155.42 v1(63.54,155.46) ; 63.54,155.42 v1(62.66,155.42) ; v1(59.66,151.13) 59.66,151.12 U19.2
  F.FR4 w0.2: 51.69,161.88 51.68,161.88 v1(51.39,162.17)
  F.FR4 w0.25: 93.59,9.98 93.41,10.16 ; 93.59,9.98 93.32,10.25 v2(77.87,10.25) ; 93.59,9.98 97.84,9.98 98.01,10.15 99.77,10.15 99.94,9.98 101.06,9.98 102.13,8.91 104.8,8.91 104.92,9.03 110.05,9.03 110.16,8.92 113.86,8.92 114.16,9.22 118.26,9.22 118.47,9.43 122.54,9.43 123,9.89 123,10.16 123.36,10.52 123.93,10.52 124.14,10.31 124.7,10.31 125.01,10.62 125.58,10.62 126.17,10.03 127.31,10.03 127.77,9.57 133.3,9.57 133.8,10.07 133.8,10.77 134.39,11.36 135.48,11.36 136,10.84 137.53,10.84 138.02,11.33 140.05,11.33 141.13,10.25 v2(153.31,10.25) ; v2(25.37,45.83) 31.35,45.83 32.3,46.78 33.02,46.78 34.44,48.2 36.54,48.2 37.51,47.23 38.18,47.23 38.33,47.38 55.55,47.38 57.11,45.82 v2(64.07,45.82) ; 51.69,161.88 54.99,158.58 55.32,158.58 55.58,158.84 55.97,158.84 58.91,155.9 61.73,155.9 61.93,156.1 63.39,156.1 63.54,156.25 v1(63.54,156.83)
  B.FR4 w0.2: 48.4,158.03 40.19,149.82 40.19,147 38.78,145.59 38.78,140.28 38.81,140.25 38.81,135.78 ; 48.4,158.03 48.57,158.2 48.57,158.21 ; 48.4,158.03 49.74,159.37 49.74,160.78 49.68,160.84 49.68,161.72 v1(50.13,162.17)
  B.FR4 w0.25: v2(64.07,45.82) 65.06,45.82 69.59,41.29 72.69,41.29 74.05,39.93 74.05,33.4 74.29,33.16 74.29,24.77 73.33,23.81 73.33,22.33 73.92,21.74 73.92,20.53 75.48,18.97 75.48,18.41 75.09,18.02 75.09,11.88 76.72,10.25 v2(77.87,10.25) ; 37.46,117.71 33.53,121.64 ; 37.46,117.71 38.06,117.11 ; 37.46,117.71 38.06,117.11 ; 38.06,117.11 38.06,115.35 ; 38.06,117.11 38.06,115.35 ; 38.06,115.35 38.06,112.73 38.24,112.55 38.24,111.47 38.06,111.29 38.06,99.35 29.09,90.38 29.09,86.33 29.65,85.77 29.65,75.96 25.21,71.52 25.21,45.99 v2(25.37,45.83) ; 33.01,133.09 v1(32.28,133.82) ; 38.81,135.78 38.81,135.42 v1(38.53,135.14) ; 63.54,156.18 v1(63.54,156.83)
  B.FR4 w0.3: 33.01,128.33 33.35,127.99 33.35,121.81 33.53,121.64
  B.FR4 w0.4: v1(62.66,155.42) 62.08,154.84 61.42,154.84 60.73,154.15 60.73,152.56 60.45,152.28 60.45,151.67 ; 59.91,151.13 v1(59.66,151.13) ; 59.91,151.13 60.45,151.67 ; 59.91,151.13 60.45,151.67 ; 33.01,133.09 33.01,128.33 ; v1(63.54,155.46) 63.54,156.18
RF_IN_B_#2: length 2.4
  F.RO w0.3: R574.2 C332.1
  F.RO w0.5: R574.2 131.08,59.84
  F.RO w0.79: 131.41,60.13 131.37,60.13 131.08,59.84 J35.1
RF_IN_C_#1: length 12
  F.RO w0.3: U91.18 96.18,67.94
  F.RO w0.5: 91.91,60.52 C105.1
  F.RO w0.79: 91.91,60.52 94.34,60.52 94.34,60.53 96.18,62.37 96.18,67.94
RF_IN_C_#2: length 14.9
  F.RO w0.3: 171.62,62.36 169.78,60.52 ; U35.18 171.62,67.96
  F.RO w0.5: 167.35,60.52 C333.1
  F.RO w0.79: 167.35,60.52 167.23,60.52 167.23,60.51 167.82,60.51 167.83,60.52 169.78,60.52 171.62,62.36 171.62,67.96
RF_IN_D_#1: length 59.1
  F.RO w0.2: 86.1,115.21 86.1,116.85 ; 86.1,112.96 86.1,113.04
  F.RO w0.25: 86.1,116.85 86.37,117.12 U46.8
  F.RO w0.3: 92.37,65.5 91.36,65.5 C106.1
  F.RO w0.79: 92.26,65.5 93.48,65.5 93.48,65.51 94.38,66.41 94.38,67.46 92.23,69.61 92.23,89.42 86.1,95.55 86.1,113.01 ; 86.1,113.04 86.1,115.21
RF_IN_D_#2: length 59
  F.RO w0.25: 161.54,115.51 161.81,115.78 U48.8
  F.RO w0.3: 166.78,65.49 166.8,65.5 167.81,65.5
  F.RO w0.79: 167.7,65.5 168.92,65.5 169.8,66.38 169.8,67.49 168.74,68.55 168.74,68.54 167.66,69.62 167.66,89.42 161.54,95.54 161.54,115.51
RF_OUT_A_#2: length 1.1
  F.RO w0.3: C41.1 C385.2
RF_OUT_B_#1: length 2.5
  F.RO w0.5: 70.65,44.05 J34.1 ; C149.2 70.65,44.61
  F.RO w0.79: J34.1 70.65,44.05 70.65,44.61
SC1905_#1_RESETn: length 207.9
  F.RO w0.25: v1(53.82,142.56) 54.59,143.33 C602.1 ; v2(81.5,16.96) 81.49,16.96 ; v2(72.26,45.56) 72.25,45.55 ; v1(39.27,107.93) 40.04,107.16 v1(40.04,107.06)
  F.RO w0.4: C603.1 C602.1 R407.1
  F.FR4 w0.25: v2(66.02,45.78) 66.24,45.56 v2(72.26,45.56) ; v2(27.53,53.08) 31.39,53.08 32.03,52.44 43.17,52.44 44.24,51.37 48.2,51.37 49.52,52.69 52.48,52.69 55.65,49.52 58.22,49.52 60.43,51.73 v2(64.04,51.73)
  F.FR4 w0.3: 54.21,133.54 52.83,132.16 52.36,132.16 50.56,130.36 v1(46.17,130.36)
  B.FR4 w0.25: 41.19,126.44 41.54,126.44 45.46,130.36 v1(46.17,130.36) ; v1(53.82,142.56) 52.61,141.35 52.61,138.49 53.65,137.45 ; v1(54.19,133.52) 54.76,134.09 54.76,134.8 53.65,135.91 ; 76.81,39.2 77.64,38.37 80.99,38.37 82.33,37.03 82.33,33.37 81.76,32.8 81.76,23.3 81.5,23.04 v2(81.5,16.96) ; 76.81,39.2 76.75,39.26 ; 76.81,39.2 76.18,39.83 76.18,43.38 74,45.56 v2(72.26,45.56) 72.23,45.59 ; v2(64.04,51.73) 64.02,51.71 64.02,47.75 65.99,45.78 v2(66.02,45.78) ; v1(40.04,107.06) 39.88,106.9 39.88,96.73 32.75,89.6 32.75,86.35 32.19,85.79 32.19,76.18 27.53,71.52 v2(27.53,53.08) ; v1(39.27,107.93) 39.08,108.12 39.08,111.73 39.44,112.09 39.44,113.63 39.08,113.99 39.08,115.17 39.27,115.36 39.27,120.59 40.05,121.37 40.05,125.91 40.59,126.45 v1(41.19,126.45)
  B.FR4 w0.3: 41.19,126.44 v1(41.19,126.45) ; 53.65,135.91 53.65,137.45
  B2.RO w0.25: v2(81.5,16.96) 82.09,16.37 R414.1
  B2.RO w0.4: R414.1 R415.1
SC1905_#1_SSENn: length 179.8
  F.RO w0.25: v1(32.59,123.32) 31.02,123.32 U11.6
  F.RO w0.3: v2(77.87,9.6) 77.87,9.6
  F.FR4 w0.2: 63.14,45.11 62.87,45.11
  F.FR4 w0.25: 55.13,44.49 55.75,45.11 61.25,45.11 61.48,45.34 62.66,45.34 62.89,45.11 63.14,45.11 ; 55.13,44.49 54.79,44.15 ; 55.13,44.49 54.79,44.15 ; v2(22.5,45.03) 22.78,45.31 24.6,45.31 26.08,43.83 39.12,43.83 39.48,44.19 40.15,44.19 40.3,44.04 41.48,44.04 42.22,43.3 49.8,43.3 50.65,44.15 53.73,44.15 53.94,43.94 54.42,43.94 54.63,44.15 54.79,44.15 ; 63.14,45.11 62.87,45.11 ; 63.14,45.11 v2(64.13,45.11)
  B.FR4 w0.25: v2(64.13,45.11) 64.13,45.1 68.5,40.73 71.88,40.73 73.17,39.44 73.17,33.13 73.56,32.74 73.56,26.09 71.97,24.5 71.97,23.35 72.62,22.7 72.62,18.16 73.13,17.65 73.13,12.64 73.7,12.07 74.07,12.07 76.54,9.6 v2(77.87,9.6) ; 36.77,117.29 36.89,117.17 36.89,100.95 26.5,90.56 26.5,86.34 28.51,84.33 28.51,75.56 24.23,71.28 24.23,66.18 ; 36.77,117.29 36.72,117.34 ; 36.77,117.29 32.59,121.47 v1(32.59,123.32) ; v2(22.5,45.03) 23.73,46.26
  B.FR4 w0.3: 24.23,66.18 23.8,65.75 23.8,52.59 23.73,52.52 23.73,46.26
SC1905_#2_RESETn: length 315.9
  F.RO w0.3: v2(154.11,16.29) 154.1,16.29 ; v1(38.66,119.38) 39.73,119.38 v1(39.78,119.43) ; v1(37.13,118.88) 37.12,118.88 36.28,118.04 v1(35.21,118.04)
  F.RO w0.4: C605.1 v1(57.17,143.33) R408.1
  F.FR4 w0.2: 94.78,43.25 94.36,43.67
  F.FR4 w0.25: 55.98,133.3 55.69,133.01 54.5,133.01 53.49,132 53.49,131.51 51.55,129.58 51.3,129.58 50.69,128.96 46.85,128.96 v1(46.16,129.65) ; 139.43,44.09 140.88,42.63 142.11,42.63 143.47,41.27 146.17,41.27 v2(146.56,40.88) ; 139.43,44.09 139.42,44.09 ; 139.43,44.09 139.28,44.23 137.72,44.23 137.64,44.31 131.28,44.31 ; 131.28,44.31 130.54,43.57 ; 131.28,44.31 130.54,43.57 ; 130.54,43.57 129.92,43.57 128.84,42.49 126.86,42.49 126.04,41.67 126.04,40.9 125.62,40.48 124.22,40.48 123.83,40.09 123.83,37.48 123.03,36.68 121.37,36.68 121.15,36.91 119.5,36.91 119.36,36.76 114.67,36.76 111.71,39.72 109.11,39.72 109.11,39.95 107.94,41.12 107.33,41.12 106.65,40.44 104.51,40.44 103.85,41.1 103.82,41.1 101.67,43.25 100.8,43.25 ; 100.8,43.25 100.76,43.25 ; 100.8,43.25 94.78,43.25 ; 40.11,35.24 41.67,36.8 43.14,36.8 43.3,36.96 46.35,36.96 46.37,36.98 46.37,37.9 47.24,38.77 47.24,40.22 47.44,40.42 50.21,40.42 50.62,40.83 51.2,40.83 51.82,40.21 52.76,40.21 53.83,41.28 53.83,41.36 54.78,42.31 55.47,42.31 55.6,42.18 59.09,42.18 59.67,42.76 61.75,42.76 62.57,41.94 67.91,41.94 70.17,44.2 70.86,44.2 70.98,44.32 74.42,44.32 75,43.74 76.24,43.74 76.74,44.24 78.46,44.24 78.85,44.63 81.75,44.63 82.79,43.59 84.1,43.59 84.44,43.25 89.52,43.25 89.79,42.98 90.94,42.98 91.63,43.67 94.36,43.67
  F.FR4 w0.3: 33.01,37.84 34.11,37.84 34.65,37.3 35.14,37.3 37.2,35.24 40.11,35.24 ; 33.01,37.84 32.99,37.86 ; 33.01,37.84 32.77,37.84 32.08,38.53 27.99,38.53 27.43,39.09 ; 27.43,39.09 27.4,39.12 ; 27.43,39.09 24.57,41.95 23.18,41.95 20.49,44.64 v2(20.49,44.88)